# KiCad board OBC Development Board.kicad_pcb (continued)
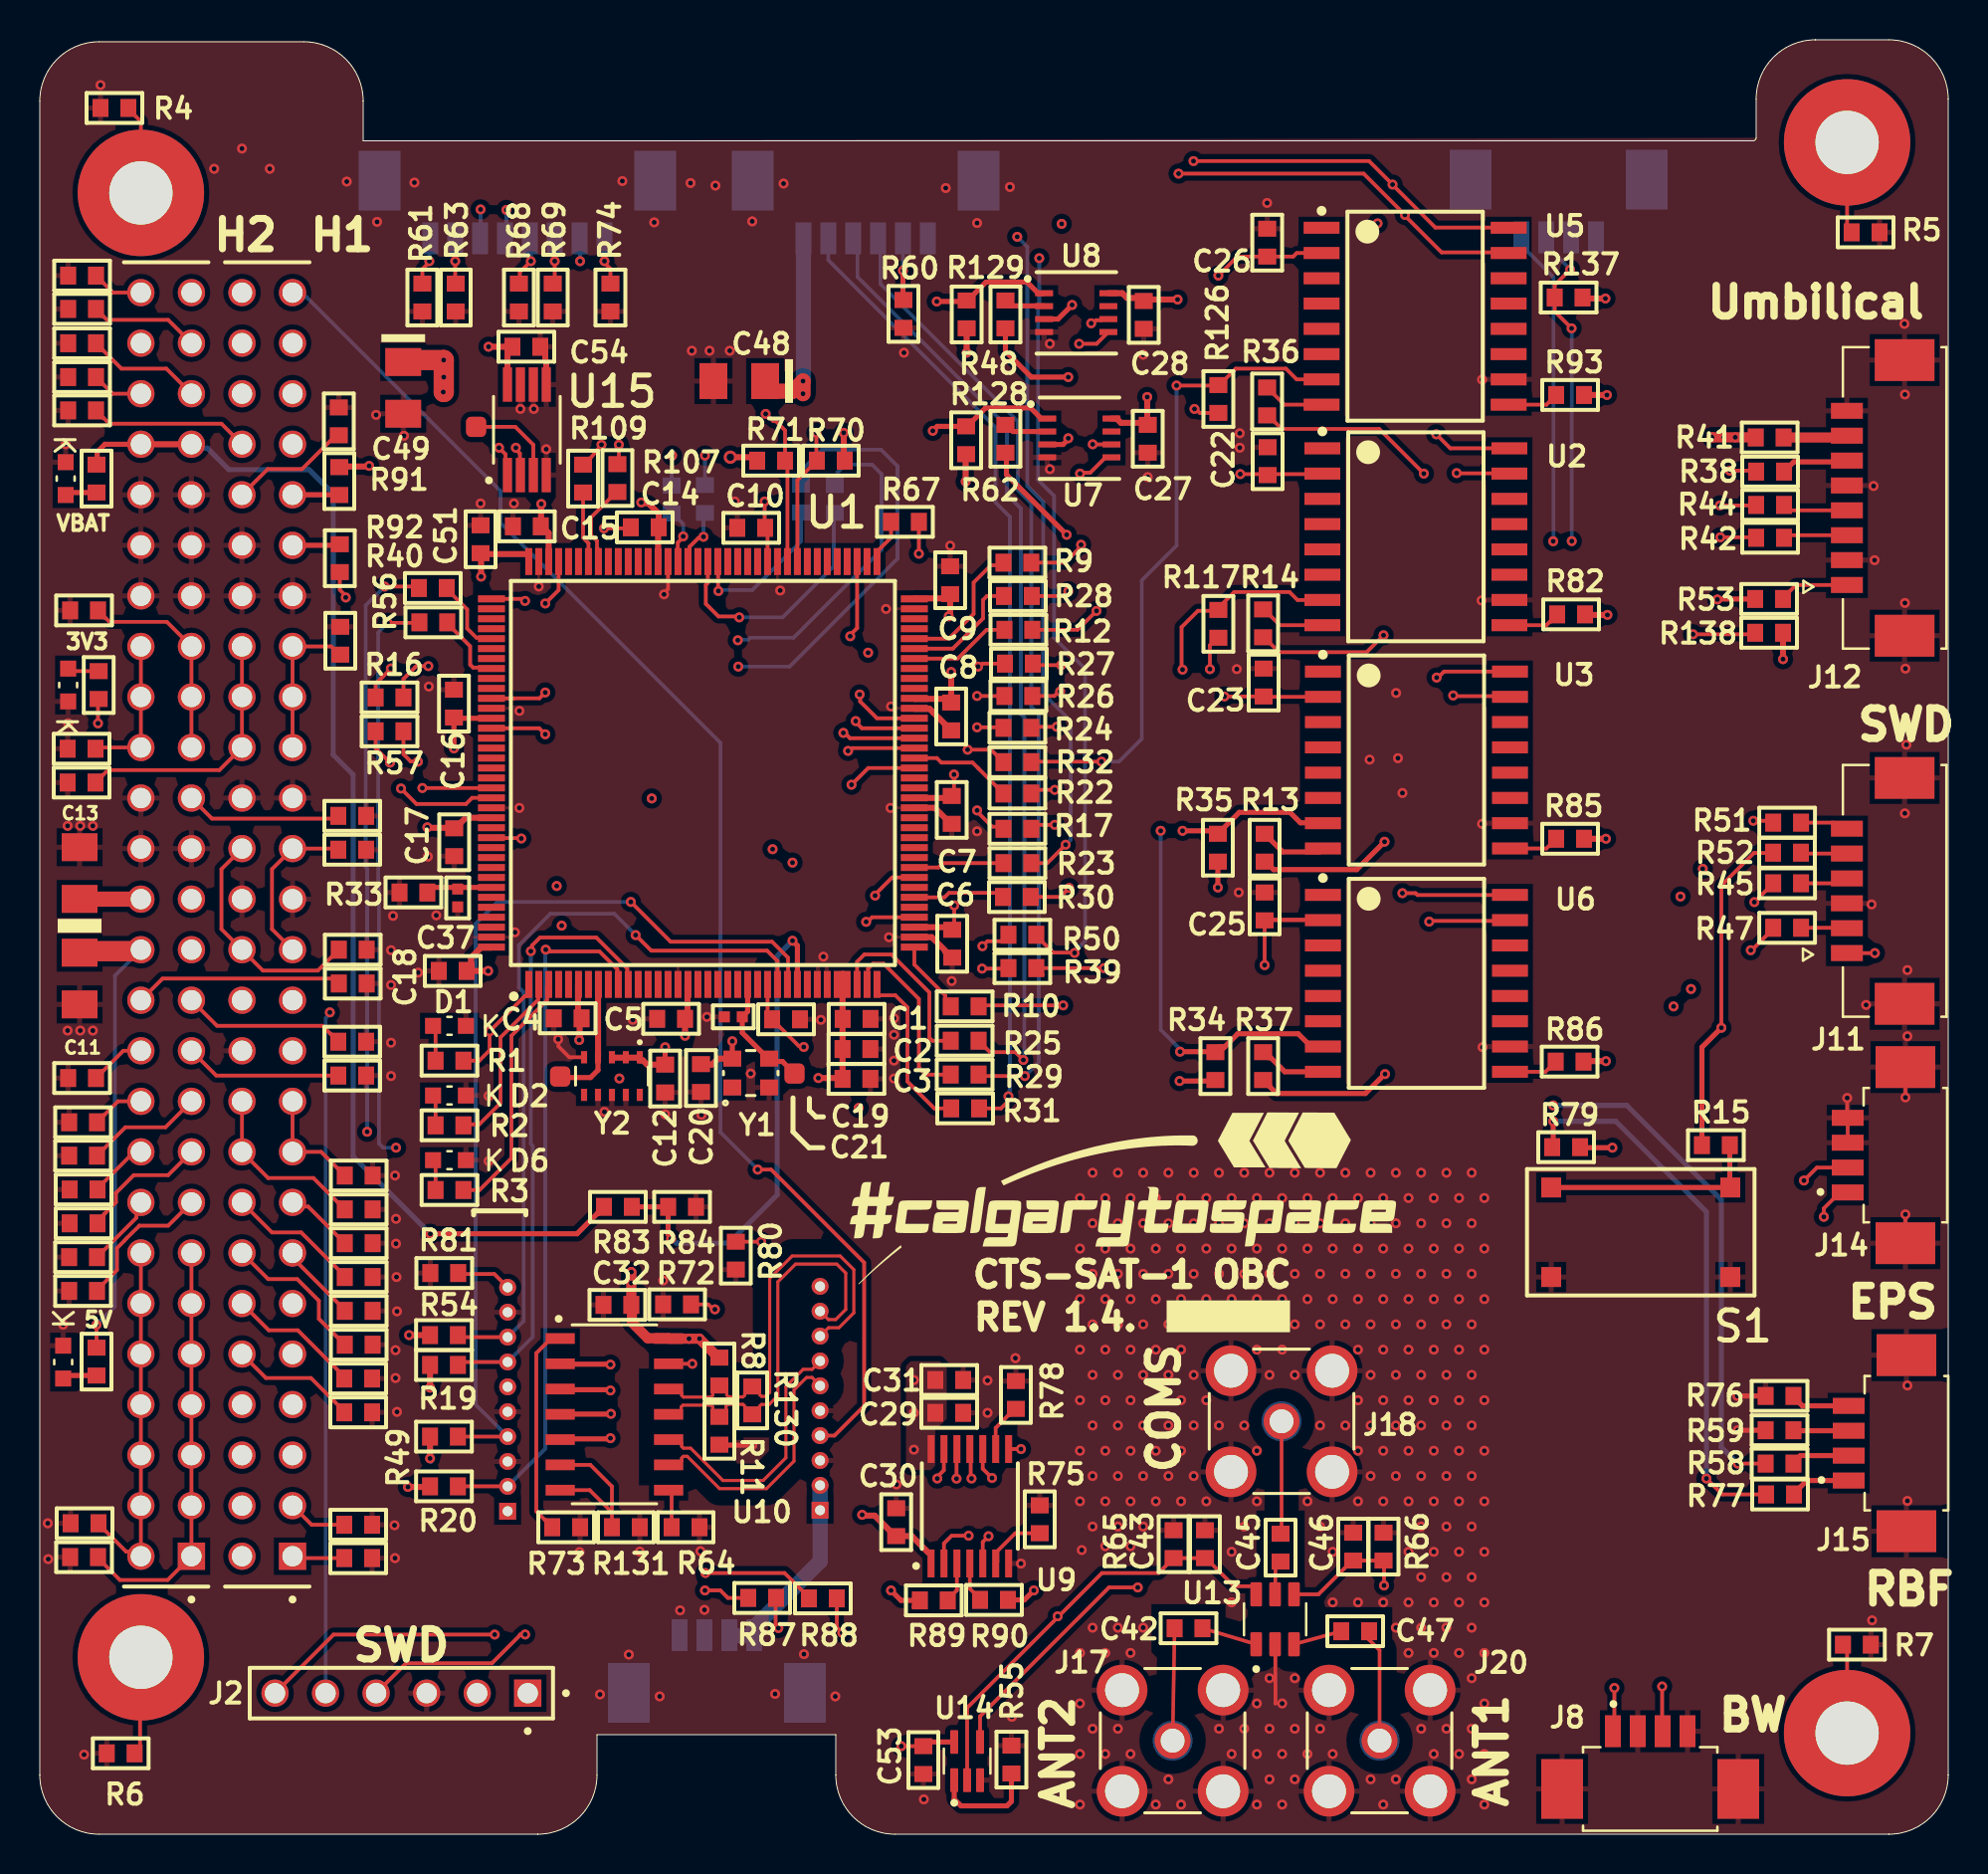
[diagram p0: board, top side]
## Nets
3V3: C1.2 C2.2 C3.2 C4.2 C5.2 C6.2 C7.2 C8.2 C9.2 C10.2 C12.2 C13.1 C14.2 C15.2 C16.2 C17.2 C18.2 C20.2 C22.1 C23.2 C25.2 C26.1 C27.1 C28.1 C30.1 C51.2 C53.2 C54.2 J2.01 J5.27 J5.28 J11.1 R19.1 R20.1 R34.1 R35.1 R38.2 R49.1 R54.1 R70.1 R71.1 R79.2 R82.1 R85.1 R86.1 R91.2 R92.1 R93.1 R117.1 R126.1 R128.1 R129.1 R134.2 R137.2 R138.1 U1.6 U1.17 U1.32 U1.33 U1.39 U1.52 U1.62 U1.72 U1.84 U1.95 U1.106 U1.108 U1.121 U1.131 U1.144 U2.2 U3.2 U5.2 U6.2 U7.3 U7.8 U8.3 U8.8 U9.1 U9.8 U14.5 U15.8 Y1.4 Y2.1 Y2.2 Y2.3
3V3_ANT_DEPLOY: C49.1 J6.50 J13.1 J13.6
3V3_CAM: C48.1 J6.48 J7.1
5V: C11.1 C29.1 C31.2 C32.1 J5.25 J5.26 R8.2 R41.2 R135.2 U9.14 U10.14
5V0_MPI: J6.51 J10.4
12V_MPI: J4.1 J4.2 J10.1 J10.2
GND: C1.1 C2.1 C3.1 C4.1 C5.1 C6.1 C7.1 C8.1 C9.1 C10.1 C11.2 C12.1 C13.2 C14.1 C15.1 C16.1 C17.1 C18.1 C19.1 C20.1 C21.2 C22.2 C23.1 C25.1 C26.2 C27.2 C28.2 C29.2 C30.2 C31.1 C32.2 C37.2 C43.2 C46.1 C48.2 C49.2 C51.1 C53.1 C54.1 D1.C D2.C D3.C D4.C D5.C D6.C J2.03 J3.S1 J3.S2 J4.3 J4.4 J4.S1 J4.S2 J5.29 J5.30 J5.32 J5.39 J5.40 J5.41 J5.42 J5.43 J5.44 J6.22 J6.24 J6.27 J6.28 J6.31 J6.32 J6.39 J6.40 J6.42 J7.6 J7.S1 J7.S2 J8.2 J8.4 J8.S1 J8.S2 J9.3 J9.4 J9.S1 J9.S2 J10.3 J10.5 J11.3 J11.S1 J11.S2 J12.2 J12.5 J12.8 J12.S1 J12.S2 J13.3 J13.5 J13.9 J14.3 J14.4 J14.S1 J14.S2 J15.S1 J15.S2 J17.0 J18.0 J20.0 R4.1 R5.1 R6.1 R7.1 R11.1 R33.1 R55.1 R59.1 R60.1 R61.1 R63.1 R64.1 R65.2 R66.1 R68.1 R69.1 R72.1 R73.1 R74.1 R75.1 R76.1 R78.1 R80.1 R81.1 R84.1 R94.2 R95.1 R96.1 R97.2 R98.2 R99.2 R100.1 R101.2 R102.1 R103.2 R104.1 R105.2 R106.1 R108.2 R110.1 R111.2 R112.1 R113.2 R114.1 R115.2 R116.1 R118.2 R119.1 R120.2 R121.1 R122.2 R123.1 R124.2 R125.2 R127.2 R131.1 R132.1 R133.2 R139.1 R140.1 R141.1 S1.3 S1.4 U1.16 U1.30 U1.31 U1.38 U1.51 U1.61 U1.71 U1.83 U1.94 U1.107 U1.120 U1.130 U1.143 U2.10 U3.10 U5.10 U6.10 U7.4 U8.4 U9.7 U13.2 U14.3 U15.4 U15.5 U15.6 U15.7 Y1.2 Y2.5 Y2.7 Y2.8 Y2.9
VBAT_MONITOR: R83.1 R84.2 U1.28
BOOM_CTRL_1: J8.1 R10.2
BOOM_CTRL_2: J8.3 R39.1
BOOT0: C37.1 R33.2 U1.138
CAM_EN: J7.2 R31.1
Debug_LED: R1.2 R58.1 U1.1
GPS_PPS: J3.7 R30.2
I2C1_SCL: J6.43 R91.1 U1.129
I2C1_SDA: J6.41 R92.2 U1.128
I2C2_SCL: J13.7 R19.2 U1.11
I2C2_SDA: J13.2 R20.2 U1.10
I2C3_SCL: J13.8 R54.2 U1.26
I2C3_SDA: J13.4 R49.2 U1.27
I2C4_SCL: R70.2 U1.81 U15.2
I2C4_SDA: R71.2 U1.82 U15.1
MISO_LPUART1_RX: R18.1 R42.1 R138.2
MISO_MPI_RX_N: J10.9 R11.2 R130.1 U10.11
MISO_MPI_RX_NEN: R46.2 R89.1
MISO_MPI_RX_P: J10.8 R8.1 R130.2 U10.12
MISO_UART4_RX: J7.4 R29.1
MISO_UART5_RX: J14.1 R56.2
MISO_USART1_RX: R87.1 R109.1
MISO_USART2_RX: J9.2 R57.2 R137.1
MISO_USART3_RX: J3.4 R23.2
MOSI_LPUART1_TX: R21.1 R44.1
MOSI_MPI_TX_EN: R43.2 R90.1
MOSI_MPI_TX_N: J10.7 U10.10
MOSI_MPI_TX_P: J10.6 U10.9
MOSI_UART4_TX: J7.3 R25.1
MOSI_UART5_TX: J14.2 R40.2
MOSI_USART1_TX: R88.2 R107.1
MOSI_USART2_TX: J9.1 R16.2
MOSI_USART3_TX: J3.3 R50.1
N_UHF_CTL: C46.2 R66.2 U13.4 U14.4
Net*1_1: *1.1 R4.2
Net*2_1: *2.1 R5.2
Net*3_1: *3.1 R6.2
Net*4_1: *4.1 R7.2
NetC21_1: C21.1 NOREF#2.3 U1.23 Y1.3
NetC42_1: C42.1 J17.1
NetC42_2: C42.2 U13.1
NetC45_1: C45.1 U13.5
NetC45_2: C45.2 J18.1
NetC47_1: C47.1 J20.1
NetC47_2: C47.2 U13.3
NetD1_A: D1.A R1.1
NetD2_A: D2.A R2.1
NetD3_A: D3.A R134.1
NetD4_A: D4.A R135.1
NetD5_A: D5.A R136.1
NetD6_A: D6.A R3.2
NetJ3_1: J3.1 R61.2
NetJ3_2: J3.2 R63.2
NetJ3_5: J3.5 R68.2
NetJ3_6: J3.6 R69.2
NetJ3_8: J3.8 R74.2
NetJ5_1: J5.1 J5.3 J5.5 J5.7 J5.9 J5.11 J5.13 R132.2
NetJ5_2: J5.2 J5.4 J5.6 J5.8 J5.10 J5.12 J5.14 R133.1
NetJ5_15: J5.15 R121.2
NetJ5_16: J5.16 R122.1
NetJ5_17: J5.17 R116.2
NetJ5_18: J5.18 R118.1
NetJ5_19: J5.19 R114.2
NetJ5_20: J5.20 R115.1
NetJ5_21: J5.21 R110.2
NetJ5_22: J5.22 R111.1
NetJ5_23: J5.23 R106.2
NetJ5_24: J5.24 R108.1
NetJ5_31: J5.31 R139.2
NetJ5_33: J5.33 J5.35 J5.37 R102.2
NetJ5_34: J5.34 J5.36 J5.38 R103.1
NetJ5_47: J5.47 R96.2
NetJ5_48: J5.48 R97.1
NetJ5_49: J5.49 R95.2
NetJ5_52: J5.52 R94.1
NetJ6_1: J6.1 R140.2
NetJ6_3: J6.3 R141.2
NetJ6_10: J6.10 R127.1
NetJ6_12: J6.12 R125.1
NetJ6_13: J6.13 R123.2
NetJ6_14: J6.14 R124.1
NetJ6_15: J6.15 R119.2
NetJ6_16: J6.16 R120.1
NetJ6_17: J6.17 J6.19 R112.2
NetJ6_18: J6.18 J6.20 R113.1
NetJ6_25: J6.25 J6.29 R104.2
NetJ6_26: J6.26 J6.30 R105.1
NetJ6_33: J6.33 J6.35 J6.37 R100.2
NetJ6_34: J6.34 J6.36 J6.38 R101.1
NetJ6_44: J6.44 R99.1
NetJ6_46: J6.46 R98.1
NetJ7_5: J7.5 R60.2
NetJ10_10: J10.10 R80.2
NetJ11_2: J11.2 R47.2
NetJ11_4: J11.4 R45.2
NetJ11_5: J11.5 R52.2
NetJ11_6: J11.6 R51.2
NetJ12_1: J12.1 R53.2
NetJ12_3: J12.3 R42.2
NetJ12_4: J12.4 R44.2
NetJ12_6: J12.6 R38.1
NetJ12_7: J12.7 R41.1
NetJ13_10: J13.10 R81.2
NetJ15_1: J15.1 R77.2
NetJ15_2: J15.2 R58.2
NetJ15_3: J15.3 R59.2
NetJ15_4: J15.4 R76.2
NetR2_2: R2.2 U1.2
NetR3_1: R3.1 U1.3
NetR9_2: R9.2 U1.68
NetR10_1: R10.1 U1.37
NetR12_2: R12.2 U1.66
NetR13_2: R13.2 U3.8
NetR14_2: R14.2 U2.8
NetR15_1: R15.1 S1.1 S1.2
NetR16_1: R16.1 U1.119
NetR17_1: R17.1 U1.55
NetR18_2: R18.2 U1.93
NetR21_2: R21.2 U1.92
NetR22_1: R22.1 U1.56
NetR23_1: R23.1 U1.45
NetR24_1: R24.1 U1.58
NetR25_2: R25.2 U1.34
NetR26_1: R26.1 U1.59
NetR27_1: R27.1 U1.60
NetR28_1: R28.1 U1.67
NetR29_2: R29.2 U1.35
NetR30_1: R30.1 U1.42
NetR31_2: R31.2 U1.36
NetR32_1: R32.1 U1.57
NetR36_2: R36.2 U5.8
NetR37_2: R37.2 U6.8
NetR39_2: R39.2 U1.40
NetR40_1: R40.1 U1.113
NetR43_1: R43.1 U1.90
NetR46_1: R46.1 U1.89
NetR48_2: R48.2 U8.2
NetR50_2: R50.2 U1.44
NetR55_2: R55.2 U14.1
NetR56_1: R56.1 U1.116
NetR57_1: R57.1 U1.122
NetR62_2: R62.2 U7.2
NetR64_2: R64.2 U10.8
NetR67_2: R67.2 U1.73
NetR72_2: R72.2 U10.13
NetR73_2: R73.2 U10.1
NetR75_2: R75.2 U9.6
NetR78_2: R78.2 U9.9
NetR82_2: R82.2 U2.9
NetR85_2: R85.2 U3.9
NetR86_2: R86.2 U6.9
NetR87_2: R87.2 U9.2
NetR88_1: R88.1 U9.5
NetR89_2: R89.2 U9.3
NetR90_2: R90.2 U9.4
NetR93_2: R93.2 U5.9
NetR107_2: R107.2 U1.101
NetR109_2: R109.2 U1.102
NetR131_2: R131.2 U10.6 U10.7
NetU1_8: NOREF#3.3 U1.8 Y2.4
NetU9_10: U9.10 U10.5
NetU9_11: U9.11 U10.4
NetU9_12: U9.12 U10.3
NetU9_13: U9.13 U10.2
NRST: C19.2 J2.05 R15.2 R52.1 U1.25
OS/INT: NOREF.3 U15.3
RBF_1: R77.1 R79.1 U1.75
SPI1_MISO: R13.1 R14.1 R28.2 R36.1 R37.1 R48.1 R62.1
SPI1_MOSI: R9.1 U2.15 U3.15 U5.15 U6.15 U7.5 U8.5
SPI1_SCLK: R12.1 U2.16 U3.16 U5.16 U6.16 U7.6 U8.6
SPI_NCS_FLASH_0: R24.2 R117.2 U2.7
SPI_NCS_FLASH_1: R32.2 R126.2 U5.7
SPI_NCS_FLASH_2: R22.2 R35.2 U3.7
SPI_NCS_FLASH_3: R17.2 R34.2 U6.7
SPI_NCS_FRAM_0: R27.2 R129.2 U8.1
SPI_NCS_FRAM_1: R26.2 R128.2 U7.1
SWCLK: J2.02 R47.1 U1.109
SWDIO: J2.04 R45.1 U1.105
SWO: J2.06 R51.1 U1.133
UHF_CTL: C43.1 R65.1 R67.1 U13.6 U14.2
V_BAT: J5.45 J5.46 R53.1 R83.2 R136.2

Pads without a net: J5 50 51; J6 2 4 5 6 7 8 9 11 21 23 45 47 49 52; U1 4 5 7 9 12 13 14 15 18 19 20 21 22 24 29 41 43 46 47 48 49 50 53 54 63 64 65 69 70 74 76 77 78 79 80 85 86 87 88 91 96 97 98 99 100 103 104 110 111 112 114 115 117 118 123 124 125 126 127 132 134 135 136 137 139 140 141 142; U2 1 3 4 5 6 11 12 13 14; U3 1 3 4 5 6 11 12 13 14; U5 1 3 4 5 6 11 12 13 14; U6 1 3 4 5 6 11 12 13 14; U7 7; U8 7; Y1 1; Y2 6 10

## Via types
v1: diameter 0.5, hole 0.25, L1 Top Layer to L6 Bottom Layer, 666 vias
v2: diameter 0.66, hole 0.381, L1 Top Layer to L6 Bottom Layer, 1 via

## Routing (per net, layer and track width the routed paths; a pad name or vN(x,y) marks a point on that pad's centre or on a via; arc(x,y) is an arc through that point)
3V3: length 133.7
  L1 Top Layer w0.186: v1(60.32,68.35) 61.65,68.35 C22.1 61.75,68.35 64.6,68.35 ; v1(45.94,53.25) 45.94,52.14 45.87,52.07 ; R91.2 15.1,68.7 ; 61.7,57.15 61.71,57.16 64.68,57.16 ; v1(36.42,66.98) 36.42,65.68 36.57,65.53 U1.84 ; R38.2 86.2,68.53 v1(84.92,68.53) ; v1(58.03,71.63) 58.09,71.63 58.29,71.43 R126.1 ; v1(58.8,58.55) 58.8,59.75 59.17,60.13 R117.1 ; v1(43.29,4.43) C53.2 ; v1(59.53,57.18) 61.45,57.18 ; v1(61.55,43.68) 61.55,46 ; 45.47,45.58 45.65,45.4 ; 61.28,46.03 61.25,46 61.25,45.96 ; 24,74.75 24.04,74.71 ; 62.03,45.93 U6.2 ; 64.61,79.46 63.16,79.46 62.98,79.28 60.18,79.28 v1(59.22,78.33) ; v1(15.38,62.15) 15.38,62.23 15.08,62.53 15.08,63.4 ; v1(2.92,55.83) 2.92,57.02 R134.2 ; U9.8 v1(49.31,19.36) ; J11.1 v1(92.21,44.28) ; 61.34,45.96 64,45.96 ; C6.2 45.95,45.55 v1(45.95,46.68)
  L1 Top Layer w0.254: 20.72,56.25 20.9,56.08 U1.121 ; R34.1 59.03,37.85 v1(57.28,37.85) ; C14.2 31.11,65.68 ; U8.3 51.16,76.14 v1(51.88,76.85) ; 33.32,38.8 C20.2 33.25,38.68 ; v1(59.2,47.58) R35.1 ; C28.1 55.55,77.13 ; v1(51.68,70.15) 51.68,70.1 51.42,69.84 U7.3 ; 20.79,56.11 20.81,56.09 v1(20.81,54.56) ; Y1.4 v1(34.8,39.85) ; 46.6,69.35 R128.1 46.53,69.33 ; v1(30.22,66.93) 30.26,66.89 ; 40.4,69.08 R70.1 ; C53.2 44.61,4.64 U14.5 ; R79.2 77.42,34.5 v1(79.03,34.5) ; 31.42,39.03 v1(31.42,39.55) ; 55.65,70.85 C27.1
  L1 Top Layer w0.3: v1(19.47,50.6) 19.5,50.58 20.85,50.58 20.88,50.55 21.4,51.08 U1.131 ; U8.8 54.4,77.44 54.64,77.2 55.47,77.2 ; U1.95 31.07,65.65 C14.2 ; R20.1 19.58,17.45 v1(18.5,17.45) ; v1(78.7,38.85) 77.6,38.85 R86.1 ; 23.82,74.63 23.68,74.63 23.5,74.45 U15.8 ; 40.34,43.25 C2.2 C3.2 40.29,38 v1(39.12,38) ; U1.108 24.57,64.31 24.55,64.33 22.2,64.33 ; 35.97,69.14 35.91,69.2 v2(34.7,69.2) ; v1(19.61,18.89) R49.1 ; v1(87.6,59.05) R138.1 ; 23.43,74.72 23.63,74.92 ; 15.1,68.7 15.13,68.73 ; 30.15,39.03 28.76,39.03 28.75,39.03 28.75,39.07 ; v1(45.8,58.41) 45.8,56.87 C8.2 45.61,57.05 43.97,57.05 U1.62 ; U1.72 43.97,62.1 45.53,62.1 C9.2 45.75,61.32 45.67,61.25 v1(45.67,61.2) ; v1(78.67,77.18) 77.57,77.18 R137.2 ; 30.26,66.89 30.57,66.89 31.11,66.36 31.11,65.68 ; Y1.4 34.07,38.98 33.78,38.68 33.25,38.68 ; 45.87,52.07 45.87,52.07 43.95,52.07 U1.52 ; 15.05,68.73 16.52,68.73 v1(16.55,68.76) ; C51.2 22.17,64.35 v1(22.17,63.2) ; Y2.1 30.15,38.89 30.15,38.89 30.3,38.89 30.52,38.68 C12.2 ; 27.15,40.8 27.12,40.77 27.13,40.76 27.13,39.93 v1(27.11,39.91) ; v1(78.78,61.28) 77.67,61.28 R82.1 ; 45.47,45.58 U1.39 43.95,45.57 ; U9.1 44.79,14.13 44.76,14.16 44.64,14.16 43.82,14.98 42.99,14.98 41.95,16.01 41.36,16.01 v1(41.32,16.05) ; 27.05,40.82 27.05,42.68 U1.6 ; v1(32.42,40.13) C5.2 32.42,41 32.55,41.12 32.55,42.68 U1.17 ; v1(19.61,22.44) R19.1 ; U7.8 54.15,71.14 54.15,71.1 54.33,70.93 55.58,70.93 55.65,70.85 v1(55.65,72.23) ; v1(18.56,25.08) R54.1 ; 55.55,77.13 v1(57.17,77.13) ; U1.144 22.67,44.55 22.17,44.55 21.67,44.05 21.67,43.6 C18.2 v1(22.53,43.38) ; R93.1 v1(78.75,72.33) ; v1(46.53,67.98) 46.53,69.33 ; v1(46.57,74.45) R129.1 ; U1.106 25.57,65.39 25.42,65.53 C15.2 25.19,65.74 25.19,66.84 v1(25.2,66.85) ; R85.1 v1(78.7,50.03) ; v1(22.55,74.75) C54.2
  L1 Top Layer w0.302: 40.4,69.08 v1(40.4,70.43)
  L1 Top Layer w0.762: J5.28 2.01,46.99 C13.1
  L6 Bottom Layer w0.186: 19.66,18.69 19.66,18.84 v1(19.61,18.89)
3V3_ANT_DEPLOY: length 62.7
  L1 Top Layer w1.016: C49.1 18.36,74.08 v1(20.3,74.08) 20.3,74.08 20.3,72.48
  L4 Signal w1.016: 23.02,22.54 21.52,24.04 21.52,43.8 21.82,44.11 21.82,58.19 20.32,59.69 20.32,72.48 ; J13.1 23.08,16.23 22.32,16.99 22.32,21.72 23.08,22.48 J13.6
  vias: v1(20.27,72.48) v1(20.3,73.23)
3V3_CAM: length 10.2
  L1 Top Layer w0.762: v1(38.35,72.39) v1(38.35,73.03) 37.85,72.52 36.77,72.52 36.45,72.84 C48.1
  L6 Bottom Layer w0.762: 38.38,73.03 J7.1
5V: length 34.6
  L1 Top Layer w0.186: R135.2 v1(2.85,25.6)
  L1 Top Layer w0.254: 34.1,23.95 R8.2 ; U10.14 31.14,24.91 31,25.05
  L1 Top Layer w0.381: 86.22,70.2 R41.2
  L1 Top Layer w0.508: 31.6,24.91 31.62,24.9 v1(32.62,24.9) v1(33.15,24.9) 34.1,23.95 ; U10.14 31.59,24.92 30.55,24.92 29.76,25.72 29.76,26.57 C32.1 v1(29.72,28.25) ; v1(84.03,70.2) 84.03,70.2 86.22,70.2
  L1 Top Layer w1.016: C11.1 2.08,44.38 5,44.38 J5.26
  L6 Bottom Layer w0.186: J5.26 3.77,43.15 3.77,26.53 v1(2.85,25.6)
  vias: v1(29.72,27.7) v1(43.92,22.83) v1(43.92,21.18) v1(43.92,19.33) v1(84.63,70.2) v1(85.2,70.2)
5V0_MPI: length 71.4
  L1 Top Layer w0.186: v1(36.07,33.4) 36.75,33.4 41.42,28.73 41.42,21.53 39.93,20.03 J10.4
  L6 Bottom Layer w0.186: J6.51 12.93,77.24 13.41,77.24 23.15,67.5 23.15,65.9 34.2,54.85 34.2,40.1 34.2,35.27 v1(36.07,33.4)
12V_MPI: length 10.2
  L6 Bottom Layer w0.762: J4.2 34.67,9.98 35.88,9.98 35.9,9.99 J4.1 35.9,10.4 39.21,13.71 J10.1 J10.2
GND: length 26.4
  L1 Top Layer w0.186: J14.3 J14.4 90.82,36.03 v1(90.82,37) ; v1(26.05,39.95) 26.06,39.94 26.06,39.59 26.6,39.05 Y2.5 ; 45.49,44.36 45.49,44.41 ; 62.09,6.58 62.09,6.57 62.09,9.54 U13.2 ; J14.S1 v1(93.75,31.15) ; v1(93.75,37.03) J14.S2 ; v1(28.35,65.63) 29.47,65.63 ; 45.78,50.78 C7.1 ; 45.8,44.05 C6.1 ; v1(31.37,62.31) 31.37,62.37 31.57,62.57 U1.94
  L1 Top Layer w0.254: v1(35.8,19.55) 34.17,19.55 R11.1 ; v1(85.3,22.03) R76.1 ; v1(85.32,20.3) R59.1
  L1 Top Layer w0.3: 45.78,50.78 44.97,51.58 U1.51 ; U15.5 25.45,74 25.4,74.05 25.4,74.5 C54.1 ; U1.61 43.97,56.55 44.71,56.55 44.9,56.37 45.5,55.77 45.5,55.72 45.75,55.47 C8.1 ; 45.49,44.36 45.8,44.05 ; U1.38 44.82,45.08 45.49,44.41
  vias: v1(0.4,15.63) v1(0.42,13.83) v1(1.17,25.6) v1(1.3,69.85) v1(1.4,50.67) v1(1.4,40.39) v1(1.42,55.83) v1(2.03,50.67) v1(2.03,40.39) v1(2.22,4) v1(2.67,50.67) v1(2.67,40.39) v1(3.05,87.9) v1(8.76,83.69) v1(10.16,84.71) v1(11.56,83.69) v1(15.42,83.05) v1(16.95,81.03) v1(16.9,71.33) v1(17.65,44.43) v1(17.65,42.68) v1(17.65,39.78) v1(17.65,38.1) v1(17.75,46.15) v1(17.85,33.1) v1(17.88,24.33) v1(17.88,22.93) v1(17.83,15.53) v1(17.85,13.88) v1(17.9,30.93) v1(17.9,29.68) v1(17.92,28) v1(17.95,26.28) v1(17.95,21.23) v1(18.3,70.28) v1(18.83,83) v1(19.01,43.3) v1(19.55,57.68) v1(19.5,49.13) v1(19.92,46.18) v1(22.15,66.88) v1(22.55,37.1) v1(22.55,33.83) v1(23.83,66.88) v1(23.88,45.33) v1(24.15,71.63) v1(24.1,56.45) v1(24.1,51.58) v1(24.83,71.63) v1(25.08,62.7) v1(25.45,69.6) v1(27.12,14.18) v1(28.15,7.03) v1(28.38,36.3) v1(29.12,37.98) v1(29.28,83.08) v1(29.6,9.03) v1(29.8,40.93) v1(30.15,14.2) v1(30.88,81) v1(31.15,6.93) v1(31.32,27.83) v1(31.42,36.18) v1(32.17,11.25) v1(32.7,82.98) v1(32.77,74.55) v1(33.25,36.15) v1(33.2,14.23) v1(33.4,11.28) v1(33.53,41.08) v1(33.66,74.55) v1(33.95,82.85) v1(34.67,74.55) v1(34.92,66.98) v1(35.72,38.23) v1(35.8,81.05) v1(36.95,7.05) v1(37.21,62.5) v1(37.38,82.95) v1(38.4,9.05) v1(39.25,40.93) v1(39.38,44.1) v1(39.97,6.93) v1(42.53,61.58) v1(42.67,45.08) v1(42.78,56.68) v1(42.75,51.58) v1(42.92,41) v1(42.92,40.18) v1(42.92,38.88) v1(42.92,37.98) v1(43.05,17.58) v1(43.42,74.45) v1(44.42,1.75) v1(45.53,82.73) v1(45.75,64.75) v1(45.82,42.88) v1(47.1,80.97) v1(47.1,50.4) v1(47.62,22.8) v1(47.62,21.18) v1(48.75,82.78) v1(48.85,5.9) v1(49.03,23.93) v1(49.31,13.6) v1(50.76,74.9) v1(50.76,68.6) v1(52.27,31.97) v1(52.27,29.43) v1(52.27,26.89) v1(52.27,24.35) v1(52.27,21.81) v1(52.27,19.27) v1(52.27,16.73) v1(52.27,9.11) v1(52.27,6.57) v1(52.27,4.03) v1(52.27,1.49) v1(52.36,14.28) v1(52.91,33.24) v1(52.91,30.7) v1(52.91,28.16) v1(52.91,25.62) v1(52.91,23.08) v1(52.91,20.54) v1(52.91,18) v1(52.91,15.46) v1(52.91,10.38) v1(52.91,5.3) v1(53.54,31.97) v1(53.54,29.43) v1(53.54,26.89) v1(53.54,24.35) v1(53.54,21.81) v1(53.54,19.27) v1(53.54,16.73) v1(53.54,14.47) v1(53.54,9.11) v1(53.54,4.03) v1(54.17,33.24) v1(54.17,30.7) v1(54.17,28.16) v1(54.17,25.62) v1(54.17,23.08) v1(54.17,20.54) v1(54.17,18) v1(54.17,15.46) v1(54.17,10.38) v1(54.17,5.3) v1(54.81,31.97) v1(54.81,29.43) v1(54.81,26.89) v1(54.81,24.35) v1(54.81,21.81) v1(54.81,19.27) v1(54.81,16.73) v1(54.81,14.47) v1(54.81,9.11) v1(54.81,4.03) v1(55.45,74.35) v1(55.44,33.24) v1(55.44,30.7) v1(55.44,28.16) v1(55.44,25.62) v1(55.44,23.08) v1(55.44,20.54) v1(55.44,18) v1(55.44,15.46) v1(55.44,10.38) v1(55.67,68.2) v1(56.08,31.97) v1(56.08,29.43) v1(56.08,26.89) v1(56.08,24.35) v1(56.08,21.81) v1(56.08,19.27) v1(56.08,16.73) v1(56.08,1.49) v1(56.72,33.24) v1(56.72,30.7) v1(56.72,28.16) v1(56.72,25.62) v1(56.72,23.08) v1(56.72,20.54) v1(56.72,18) v1(56.72,2.76) v1(57.35,31.97) v1(57.35,29.43) v1(57.35,26.89) v1(57.35,24.35) v1(57.35,21.81) v1(57.35,19.27) v1(57.35,16.73) v1(57.35,1.49) v1(57.98,33.24) v1(57.98,30.7) v1(57.98,28.16) v1(57.98,25.62) v1(57.98,23.08) v1(57.98,20.54) v1(57.98,18) v1(58.62,31.97) v1(58.62,29.43) v1(58.62,26.89) v1(58.62,21.81) v1(58.62,16.73) v1(59.25,33.24) v1(59.25,30.7) v1(59.25,28.16) v1(59.25,25.62) v1(59.25,20.54) v1(59.25,5.3) v1(59.89,31.97) v1(59.89,29.43) v1(59.89,26.89) v1(59.89,14.19) v1(59.89,11.65) v1(59.89,4.03) v1(60.15,58.55) v1(60.25,47.33) v1(60.3,70.4) v1(60.3,69.68) v1(60.53,33.24) v1(60.53,30.7) v1(60.53,28.16) v1(60.53,25.62) v1(60.53,20.54) v1(60.53,15.46) v1(60.53,5.3) v1(61.16,31.97) v1(61.16,29.43) v1(61.16,26.89) v1(61.16,24.35) v1(61.16,19.27) v1(61.16,16.73) v1(61.16,6.57) v1(61.16,4.03) v1(61.16,1.49) v1(61.67,81.98) v1(61.79,33.24) v1(61.79,30.7) v1(61.79,28.16) v1(61.79,25.62) v1(61.79,23.08) v1(61.79,7.84) v1(61.79,5.3) v1(61.79,2.76) v1(62.43,31.97) v1(62.43,29.43) v1(62.43,26.89) v1(62.43,24.35) v1(62.43,6.57) v1(62.43,4.03) v1(62.43,1.49) v1(63.06,33.24) v1(63.06,30.7) v1(63.06,28.16) v1(63.06,25.62) v1(63.06,23.08) v1(63.06,7.84) v1(63.06,5.3) v1(63.06,2.76) v1(63.7,31.97) v1(63.7,29.43) v1(63.7,26.89) v1(63.7,16.73) v1(63.7,4.03) v1(64.34,33.24) v1(64.34,30.7) v1(64.34,28.16) v1(64.34,25.62) v1(64.34,20.54) v1(64.34,15.46) v1(64.34,5.3) v1(64.97,31.97) v1(64.97,29.43) v1(64.97,26.89) v1(64.97,14.19) v1(64.97,11.65) v1(64.97,4.03) v1(65.6,33.24) v1(65.6,30.7) v1(65.6,28.16) v1(65.6,25.62) v1(65.6,20.54) v1(66.24,31.97) v1(66.24,29.43) v1(66.24,26.89) v1(66.24,24.35) v1(66.24,21.81) v1(66.24,19.27) v1(66.24,16.73) v1(66.24,11.65) v1(66.82,54) v1(66.88,33.24) v1(66.88,30.7) v1(66.88,28.16) v1(66.88,25.62) v1(66.88,23.08) v1(66.88,20.54) v1(66.88,18) v1(66.88,2.76) v1(67.51,31.97) v1(67.51,29.43) v1(67.51,26.89) v1(67.51,24.35) v1(67.51,21.81) v1(67.51,19.27) v1(67.51,16.73) v1(67.51,11.65) v1(67.51,1.49) v1(68.16,57.35) v1(68.15,33.24) v1(68.15,30.7) v1(68.15,28.16) v1(68.15,25.62) v1(68.15,23.08) v1(68.15,20.54) v1(68.15,18) v1(68.15,10.38) v1(68.15,2.76) v1(68.25,54.08) v1(68.47,52.33) v1(68.78,31.97) v1(68.78,29.43) v1(68.78,26.89) v1(68.78,24.35) v1(68.78,21.81) v1(68.78,19.27) v1(68.78,16.73) v1(68.78,14.19) v1(68.78,11.65) v1(68.78,9.11) v1(69.41,33.24) v1(69.41,30.7) v1(69.41,28.16) v1(69.41,25.62) v1(69.41,23.08) v1(69.41,20.54) v1(69.41,18) v1(69.41,15.46) v1(69.41,12.92) v1(69.41,10.38) v1(69.41,5.3) v1(70.05,31.97) v1(70.05,29.43) v1(70.05,26.89) v1(70.05,24.35) v1(70.05,21.81) v1(70.05,19.27) v1(70.05,16.73) v1(70.05,14.19) v1(70.05,11.65) v1(70.05,9.11) v1(70.05,4.03) v1(70.69,33.24) v1(70.69,30.7) v1(70.69,28.16) v1(70.69,25.62) v1(70.69,23.08) v1(70.69,20.54) v1(70.69,18) v1(70.69,15.46) v1(70.69,12.92) v1(70.69,10.38) v1(70.69,5.3) v1(71.32,31.97) v1(71.32,29.43) v1(71.32,26.89) v1(71.32,24.35) v1(71.32,21.81) v1(71.32,19.27) v1(71.32,16.73) v1(71.32,14.19) v1(71.32,11.65) v1(71.32,9.11) v1(71.32,4.03) v1(71.95,33.24) v1(71.95,30.7) v1(71.95,28.16) v1(71.95,25.62) v1(71.95,23.08) v1(71.95,20.54) v1(71.95,18) v1(71.95,15.46) v1(71.95,12.92) v1(71.95,10.38) v1(71.95,7.84) v1(71.95,5.3) v1(71.95,2.76) v1(72.47,73.1) v1(72.45,62) v1(72.47,50.78) v1(72.5,39.55) v1(72.59,31.97) v1(72.59,29.43) v1(72.59,26.89) v1(72.59,24.35) v1(72.59,21.81) v1(72.59,19.27) v1(72.59,16.73) v1(72.59,14.19) v1(72.59,11.65) v1(72.59,9.11) v1(72.59,6.57) v1(72.59,4.03) v1(72.59,1.49) v1(91.78,41.68) v1(92.05,46.73) v1(92.07,10.75) v1(92.15,67.75) v1(92.2,64.03) v1(93.7,75.9) v1(93.72,72.35) v1(93.72,61.88) v1(93.75,58.58) v1(93.72,51.3) v1(93.8,54.75) v1(93.85,43.43) v1(93.85,40.1) v1(93.85,22.55) v1(93.85,16.75)
VBAT_MONITOR: length 25.3
  L1 Top Layer w0.254: R83.1 R84.2 31.57,30.14 31.72,29.99 v1(31.72,29.93) ; v1(37.82,44.9) 38.07,44.65 U1.28
  L6 Bottom Layer w0.254: v1(31.72,29.93) 31.77,29.93 32,29.7 34.62,29.7 37.06,32.13 37.06,44.13 v1(37.82,44.9)
BOOM_CTRL_1: length 74.8
  L1 Top Layer w0.186: 79.12,5.25 v1(79.12,7.35) ; 47.22,41.65 v1(51.42,41.65)
  L1 Top Layer w0.254: R10.2 47.22,41.65 ; J8.1 79.12,5.25
  L3 Signal w0.186: v1(51.42,41.65) 81.98,41.65
  L3 Signal w0.254: v1(82.1,41.6) 82.03,41.6 81.98,41.65
  L4 Signal w0.186: v1(79.12,7.35) 82.12,10.34 82.12,24.67 84.65,27.2 84.65,39.05 v1(82.1,41.6)
BOOM_CTRL_2: length 74.7
  L1 Top Layer w0.186: 81.53,4.81 v1(81.53,7.43) ; v1(53.47,43.53) R39.1 50.07,43.48 50.35,43.2 50.4,43.2
  L3 Signal w0.186: 82.75,42.43 54.57,42.43 v1(53.47,43.53)
  L3 Signal w0.254: 82.75,42.43 82.75,42.43 82.93,42.43 v1(82.97,42.48)
  L4 Signal w0.186: v1(81.53,7.43) 82.92,8.83 82.92,24.1 85.45,26.63 85.45,40.9 83.88,42.48 v1(82.97,42.48)
BOOT0: length 3.3
  L1 Top Layer w0.254: U1.138 19.73,47.58 R33.2
CAM_EN: length 48.8
  L1 Top Layer w0.186: v1(48.67,37.08) 48.63,37.03 48.63,36.8 48.3,36.48 R31.1
  L6 Bottom Layer w0.186: v1(48.67,37.08) 48.72,37.13 48.72,37.36 48.75,37.38 48.75,66.2 48.03,66.93 48.03,70.7 39.62,79.1 J7.2
Debug_LED: length 86.2
  L1 Top Layer w0.186: 24.57,42.32 24.57,42.2 24.49,42.12 24.38,42.12 v1(22.6,40.35) 22.6,39.39 22.08,38.87 R1.2 ; v1(85.32,18.63) R58.1
  L1 Top Layer w0.3: U1.1 24.57,42.45 24.55,42.43
  L3 Signal w0.179: 75.98,36.63 75.81,36.45 44.11,36.45 43.21,37.34 25.6,37.34 v1(22.6,40.35)
  L3 Signal w0.254: 75.98,36.63 v1(76.05,36.63)
  L6 Bottom Layer w0.254: v1(85.32,18.63) 84.5,19.45 84.5,31.88 79.75,36.63 v1(76.05,36.63)
GPS_PPS: length 54.8
  L1 Top Layer w0.186: v1(51.72,47.55) 51.28,47.1 R30.2
  L3 Signal w0.179: v1(30.75,52.05) 32,50.8 39.05,50.8 40.25,49.6 49.67,49.6 v1(51.72,47.55)
  L4 Signal w0.179: v1(30.75,52.05) 30.74,52.06 30.74,66.55 30.97,66.78 30.97,75.23 v1(27.15,79.05)
  L6 Bottom Layer w0.186: 27.1,80.18 27.15,80.12 v1(27.15,79.05)
  L6 Bottom Layer w0.25: 27.1,80.18 J3.7
I2C1_SCL: length 25.5
  L1 Top Layer w0.186: v1(18.15,52.55) 18.93,51.77 21.41,51.77 21.72,52.08 U1.129
  L1 Top Layer w0.254: 15.04,67.31 15.27,67.31 ; J6.43 15.03,67.31 15.04,67.3 15.27,67.3
  L4 Signal w0.179: J6.43 16.25,63.76 16.25,53.21 16.9,52.55 v1(18.15,52.55)
I2C1_SDA: length 23.3
  L1 Top Layer w0.186: v1(19.22,52.58) 22.69,52.58
  L1 Top Layer w0.254: 15.02,64.77 R92.2 ; J6.41 15.08,64.77
  L4 Signal w0.179: J6.41 12.73,64.74 12.73,63.7 15.6,60.84 15.6,52.88 16.52,51.96 18.61,51.96 v1(19.22,52.58)
I2C2_SCL: length 30.5
  L1 Top Layer w0.186: v1(24.67,44.38) 24.74,44.44 24.74,44.66 25.14,45.06 27.96,45.06 29.52,43.5 29.52,42.75 U1.11 ; J13.7 21.16,23.73 R19.2
  L6 Bottom Layer w0.186: v1(24.67,44.38) 24.67,34.69 24.77,34.59 24.77,24.99 J13.7
I2C2_SDA: length 35.1
  L1 Top Layer w0.186: R20.2 J13.2 ; v1(25.42,44.45) 25.49,44.39 25.64,44.39 25.67,44.36 28.12,44.36 29.02,43.46 29.02,42.75 U1.10
  L6 Bottom Layer w0.186: J13.2 25.4,19.37 25.4,44.43 v1(25.42,44.45)
I2C3_SCL: length 38.5
  L1 Top Layer w0.186: U1.26 37.07,43.88 36.55,44.4 30.72,44.4 v1(29.94,45.18) ; R54.2 21.11,24.98 J13.8
  L6 Bottom Layer w0.186: v1(29.94,45.18) 28.87,46.26 25.66,46.26 24.08,44.68 24.08,42.55 24.32,42.31 24.32,25.79 J13.8
I2C3_SDA: length 47.6
  L1 Top Layer w0.186: R49.2 J13.4 ; v1(29.7,46.85) 31.7,44.85 36.8,44.85 37.6,44.05 37.6,42.73 U1.27
  L6 Bottom Layer w0.186: J13.4 21.9,21.59 21.9,45.75 23,46.85 v1(29.7,46.85)
I2C4_SCL: length 23.8
  L1 Top Layer w0.186: v1(23.92,69.67) 23.92,69.59 24.12,69.39 24.12,68.33 U15.2 ; U1.81 38.07,68.05 38.69,68.67 38.74,68.67 39.05,68.98 R70.2 39.03,69.05 v1(39.03,70.43)
  L3 Signal w0.186: v1(39.03,70.43) 24.64,70.43 23.92,69.71 v1(23.92,69.67)
I2C4_SDA: length 23.6
  L1 Top Layer w0.186: U1.82 37.57,68.85 37.45,68.98 37.45,70.55 36.99,71.01 36.86,71.01 36.49,71.38 v1(36.47,71.38) ; v1(23.08,69.68) 23.4,69.35 23.4,68.4 U15.1
  L3 Signal w0.186: v1(36.47,71.38) 36.07,70.98 24.38,70.98 23.08,69.68
MISO_LPUART1_RX: length 95.2
  L1 Top Layer w0.186: v1(83.07,60.3) 86.13,60.3 R138.2 ; v1(84.45,65.18) 86.17,65.18 86.2,65.2
  L1 Top Layer w0.254: 86.2,65.2 R42.1
  L3 Signal w0.179: v1(83.57,48.51) 68.8,48.51 66.12,45.83 51.97,45.83 49.1,48.7 39.5,48.7 38.7,49.5 v1(36.82,49.5)
  L4 Signal w0.179: v1(83.57,48.51) 83.06,49.02 83.06,63.78 v1(84.45,65.18) ; v1(36.82,49.5) 36.82,49.52 36.57,49.77 36.57,63.05 31.78,67.85 v1(31.78,69.28)
  L6 Bottom Layer w0.186: v1(31.78,69.28) 31.75,69.26 R18.1
MISO_MPI_RX_N: length 20.4
  L1 Top Layer w0.154: J10.9 39.63,25.86 39.99,25.86 40.5,26.37 40.5,28.2 40.05,28.65 37.98,28.65 37.09,27.76 37.09,22.03 36.65,21.6 36.26,21.6 36.17,21.51 36.17,21.42 35.85,21.1 R130.1 35.75,21.1 35.43,21.42 35.43,21.51 35.34,21.6 34.57,21.6 34.48,21.51 34.48,21.3 34.16,20.98 R11.2 34.14,20.98 33.82,21.3 33.82,21.47 33.73,21.56 32.32,21.56 32.23,21.47 32.23,21.29 32.04,21.1 U10.11
MISO_MPI_RX_NEN: length 74.5
  L1 Top Layer w0.186: 43.9,11.43 43.95,11.43 44.22,11.7 R89.1
  L1 Top Layer w0.254: v1(42.78,12.25) 43.28,11.75 R89.1
  L4 Signal w0.179: v1(35.1,58.68) 35.05,58.63 35.05,40.73 36.7,39.08 36.7,37.18 44.52,29.36 44.52,18.53 44.51,18.52 44.51,13.98 v1(42.78,12.25)
  L6 Bottom Layer w0.186: R46.2 38.25,68.53 39.3,69.58 42.28,69.58 43.1,68.75 43.1,64.1 37.67,58.68 v1(35.1,58.68)
MISO_MPI_RX_P: length 21.7
  L1 Top Layer w0.154: U10.12 32.06,22.37 32.25,22.18 32.25,22.06 32.34,21.97 33.73,21.97 33.82,22.06 33.82,22.23 34.14,22.55 R8.1 34.2,22.55 34.52,22.23 34.52,22.07 34.61,21.98 35.34,21.98 35.43,22.07 35.43,22.18 35.75,22.5 R130.2 35.85,22.5 36.17,22.18 36.17,22.09 36.26,22 36.48,22 36.68,22.2 36.68,27.93 37.81,29.06 40.22,29.06 40.91,28.37 40.91,26.2 40.16,25.45 39.63,25.45 J10.8
MISO_UART4_RX: length 48.1
  L1 Top Layer w0.186: R29.1 47.25,38.1 v1(49.5,38.1)
  L6 Bottom Layer w0.186: v1(49.5,38.1) 50.2,38.8 50.2,56.28 49.82,56.66 49.82,66.88 49.15,67.55 49.15,71 42.24,77.91 42.24,80.09 J7.4
MISO_UART5_RX: length 104.1
  L1 Top Layer w0.186: v1(89.65,31.03) 89.65,31.45 90.45,32.25 J14.1 ; v1(17.47,60.88) 19.05,60.88 R56.2
  L3 Signal w0.179: v1(89.65,31.03) 78.83,31.03 75.35,34.5 v1(17.9,34.5)
  L6 Bottom Layer w0.186: v1(17.47,60.88) 17.47,60.86 17,60.39 17,47.57 17.05,47.52 17.05,34.7 17.25,34.5 v1(17.9,34.5)
MISO_USART1_RX: length 66
  L1 Top Layer w0.186: v1(28.22,69.83) 27.66,69.13 R109.1 ; v1(33.42,12.25) 34.2,12.25 34.58,11.88 R87.1
  L4 Signal w0.179: 31.07,14.6 26.3,19.38 26.3,37.6 28.22,39.52 ; v1(28.22,69.83) 28.18,69.83 27.1,68.75 27.1,51.03 28.22,49.9 28.22,39.52
  L4 Signal w0.186: 31.07,14.6 v1(33.42,12.25)
MISO_USART2_RX: length 84.6
  L1 Top Layer w0.186: v1(17.6,53.85) 16.88,54.58 R57.2 ; v1(76.9,78.63) 76.12,77.85 76.12,76.53 v1(76.97,75.68)
  L3 Signal w0.179: v1(76.98,64.98) 75.13,63.13 29.01,63.13 26.58,60.7 20.6,60.7 17.6,57.7 v1(17.6,53.85)
  L6 Bottom Layer w0.186: v1(76.98,64.98) 76.98,64.99 76.98,75.67 v1(76.97,75.68) ; J9.2 75.7,79.85 76.9,78.65 v1(76.9,78.63)
MISO_USART3_RX: length 61.6
  L1 Top Layer w0.186: v1(51.55,49.73) 50.62,48.8 R23.2
  L3 Signal w0.186: v1(49.12,80.28) 24.8,80.28 v1(23.45,81.63)
  L6 Bottom Layer w0.186: v1(51.55,49.73) 51.8,49.98 51.8,55.95 50.42,57.32 50.42,66.95 49.62,67.75 49.62,79.77 v1(49.12,80.28) ; J3.4 23.45,80.28 v1(23.45,81.63)
MOSI_LPUART1_TX: length 93
  L1 Top Layer w0.186: R44.1 86.22,66.78 v1(84.42,66.78)
  L3 Signal w0.179: v1(82.45,47.12) 69.2,47.12 67.42,45.35 51.88,45.35 48.97,48.25 38.4,48.25 v1(37.82,48.83)
  L4 Signal w0.179: v1(37.82,48.83) 37.88,48.88 37.88,63.08 33.42,67.53 v1(33.42,69.28) ; v1(84.42,66.78) 84.34,66.78 84.21,66.65 84.17,66.65 82.45,64.92 v1(82.45,47.12)
  L6 Bottom Layer w0.186: R21.1 v1(33.42,69.28)
MOSI_MPI_TX_EN: length 71.6
  L1 Top Layer w0.186: 48.65,11.73 R90.1
  L1 Top Layer w0.254: R90.1 49.47,11.78 v1(49.95,12.25)
  L4 Signal w0.186: v1(35.07,60) 35.75,59.33 35.75,41.31 37.4,39.66 37.4,37.55 49.9,25.05 49.9,12.3 v1(49.95,12.25)
  L6 Bottom Layer w0.186: v1(35.07,60) 35.11,60.03 35.6,60.03 35.7,60.13 37.88,60.13 42.3,64.55 42.3,68.35 41.82,68.83 40.47,68.83 40.08,68.43 40.08,67.93 R43.2
MOSI_MPI_TX_N: length 13.2
  L1 Top Layer w0.154: U10.10 32.06,19.83 32.25,19.64 32.25,19.49 32.34,19.4 32.7,19.4 34.33,17.78 36.35,17.78 37.49,18.92 37.49,22.49 38.36,23.36 38.81,23.36 39.21,23.76 J10.7
  L6 Bottom Layer w0.154: 39.21,23.74 J10.7
MOSI_MPI_TX_P: length 13.2
  L1 Top Layer w0.154: U10.9 32.06,18.56 32.25,18.75 32.25,18.9 32.34,18.99 32.53,18.99 34.16,17.37 36.52,17.37 37.9,18.75 37.9,22.33 38.53,22.95 38.81,22.95 39.21,22.55 J10.6
  L6 Bottom Layer w0.154: J10.6 39.21,22.57
MOSI_UART4_TX: length 47.6
  L1 Top Layer w0.186: v1(49.42,38.91) 49.03,39.3 47.75,39.3 47.53,39.52 47.48,39.52 47.17,39.83 R25.1
  L6 Bottom Layer w0.186: J7.3 41.09,79.98 41.09,78.26 48.6,70.75 48.6,67.33 49.3,66.63 49.3,56.3 49.47,56.13 49.47,38.96 v1(49.42,38.91)
MOSI_UART5_TX: length 106.3
  L1 Top Layer w0.186: R40.2 18.97,62.7 v1(17.33,62.7) ; v1(88.65,32.85) 89.3,33.5 J14.2
  L3 Signal w0.179: v1(16.45,35.3) 75.5,35.3 79.18,31.63 87.43,31.63 v1(88.65,32.85)
  L6 Bottom Layer w0.186: v1(17.33,62.7) 16.38,61.75 16.38,48.6 16.45,48.53 v1(16.45,35.3)
MOSI_USART1_TX: length 67.8
  L1 Top Layer w0.186: v1(33.45,13.13) 37.42,13.13 38.65,11.9 ; 29.1,69.13 v1(29.1,69.83)
  L1 Top Layer w0.254: R88.2 38.65,11.9
  L4 Signal w0.179: v1(29.1,69.83) 29.06,69.83 27.7,68.46 27.7,51.25 29.01,49.94 29.01,39.26 27.05,37.3 27.05,19.53
  L4 Signal w0.186: 27.05,19.53 v1(33.45,13.13)
MOSI_USART2_TX: length 78.8
  L1 Top Layer w0.186: v1(17.64,58.58) 17.64,58.58 16.88,57.81 R16.2
  L3 Signal w0.186: v1(17.64,58.58) 17.66,58.58 20.29,61.22 26.29,61.22 28.66,63.58 74.66,63.58 v1(76.05,64.98)
  L6 Bottom Layer w0.186: 74.45,79.85 76.07,78.23 76.07,64.99 v1(76.05,64.98)
  L6 Bottom Layer w0.254: 74.45,79.85 J9.1
MOSI_USART3_TX: length 69
  L1 Top Layer w0.186: v1(52,44.29) 51.99,44.3 50.92,44.3 50.07,45.15 R50.1
  L3 Signal w0.186: v1(22.15,81.65) 24.15,79.65 49.78,79.65 v1(50.22,79.2)
  L6 Bottom Layer w0.186: v1(50.22,79.2) 50.22,76.92 50.16,76.85 50.16,68.07 50.97,67.26 50.97,60.12 52.53,58.57 52.53,44.88 52,44.35 v1(52,44.29) ; v1(22.15,81.65) 22.15,80.23 J3.3
N_UHF_CTL: length 30.8
  L1 Top Layer w0.186: U13.4 64.25,12.06 65.95,13.75 C46.2 R66.2 67.55,13.73 v1(67.55,12.5) ; U14.4 47.25,5.93 53.72,12.4 v1(55.17,12.4)
  L3 Signal w0.186: 67.53,12.48 67.5,12.45 55.22,12.45 v1(55.17,12.4)
  L3 Signal w0.254: 67.53,12.48 v1(67.55,12.5)
  L6 Bottom Layer w0.254: 67.48,12.5 v1(67.55,12.5)
Net*1_1: length 4.5
  L1 Top Layer w0.186: *1.1 5.08,86.07 4.45,86.7 R4.2
Net*2_1: length 4.6
  L1 Top Layer w0.186: R5.2 90.82,80.73 *2.1
Net*3_1: length 5
  L1 Top Layer w0.186: R6.2 5.04,4.34 5.04,8.85 *3.1
Net*4_1: length 4.5
  L1 Top Layer w0.186: *4.1 90.82,9.32 R7.2
NetC21_1: length 6
  L1 Top Layer w0.254: NOREF#2.3 37.32,38.83 36.79,38.83 Y1.3 36.6,38.98 35.3,40.28 C21.1 35.57,41.35 U1.23
NetC42_1: length 5.7
  L1 Top Layer w0.178: J17.1 C42.1
NetC42_2: length 2.8
  L1 Top Layer w0.178: C42.2 U13.1
NetC45_1: length 2.1
  L1 Top Layer w0.178: 62.07,13.43 62.1,13.45 ; 62.1,13.45 62.1,13.73 ; 62.1,13.45 C45.1 ; 62.1,13.45 U13.5
NetC45_2: length 5.7
  L1 Top Layer w0.178: 62.32,15.03 62.35,15.05 ; J18.1 62.4,15.15 C45.2
NetC47_1: length 5.7
  L1 Top Layer w0.178: J20.1 67.32,9.25 66.8,9.77 C47.1
NetC47_2: length 2.5
  L1 Top Layer w0.178: U13.3 C47.2
NetD1_A: length 1.8
  L1 Top Layer w0.186: D1.A 19.89,40.5 R1.1
NetD2_A: length 1.6
  L1 Top Layer w0.186: D2.A 19.89,37 R2.1
NetD3_A: length 1.6
  L1 Top Layer w0.186: 1.38,58.28 1.55,58.45 R134.1
NetD4_A: length 1.7
  L1 Top Layer w0.254: R135.1 1.33,23.05 D4.A
NetD5_A: length 1.5
  L1 Top Layer w0.254: 1.3,67.43 R136.1
NetD6_A: length 1.6
  L1 Top Layer w0.186: R3.2 19.89,33.75
  L1 Top Layer w0.254: D6.A 19.89,33.75
NetJ3_1: length 2.4
  L1 Top Layer w0.186: R61.2 19.22,78.65 19.58,79 v1(19.58,79.05)
  L6 Bottom Layer w0.186: J3.1 19.58,80.15 v1(19.58,79.05)
NetJ3_2: length 2.3
  L1 Top Layer w0.186: R63.2 20.88,77.95 v1(20.88,79.05)
  L6 Bottom Layer w0.186: v1(20.88,79.05) J3.2
NetJ3_5: length 2.5
  L1 Top Layer w0.186: v1(24.67,79.05) 24.12,78.5 24.12,77.97 R68.2
  L6 Bottom Layer w0.186: v1(24.67,79.05) 24.67,80.15 J3.5
NetJ3_6: length 2.3
  L1 Top Layer w0.186: R69.2 25.88,78.03 v1(25.88,79.05)
  L6 Bottom Layer w0.186: v1(25.88,79.05) J3.6
NetJ3_8: length 2.4
  L1 Top Layer w0.186: v1(28.38,79.05) 28.38,78.97 28.67,78.67 R74.2
  L6 Bottom Layer w0.186: v1(28.38,79.05) J3.8
NetJ5_1: length 20.9
  L1 Top Layer w0.186: J5.13 J5.11 J5.9 J5.7 J5.5 J5.3 J5.1 6.42,12.78 4.02,12.78 2.92,13.88 R132.2
NetJ5_2: length 18.1
  L1 Top Layer w0.186: J5.14 J5.12 J5.10 J5.8 J5.6 J5.4 J5.2 4.85,14.2 4.34,14.2 3.27,15.27 3.26,15.27 2.95,15.58 R133.1
NetJ5_15: length 7.3
  L1 Top Layer w0.186: R121.2 2.88,27.35 3.88,28.35 3.88,29.45 4.25,29.83 arc(4.3,29.89) 4.36,29.95 5.01,30.58 6.45,30.58 J5.15
NetJ5_16: length 3.7
  L1 Top Layer w0.186: J5.16 4.85,31.52 4.85,30.98 3.23,29.36 3.18,29.36 2.88,29.05 R122.1
NetJ5_17: length 6.6
  L1 Top Layer w0.186: R116.2 2.9,30.75 3.21,31.06 3.21,31.12 3.25,31.17 3.25,31.18 3.83,31.75 3.83,32.23 4.72,33.12 6.45,33.12 J5.17
NetJ5_18: length 3
  L1 Top Layer w0.186: R118.1 2.9,32.45 4.51,34.06 4.85,34.06 J5.18
NetJ5_19: length 5.9
  L1 Top Layer w0.186: J5.19 6.31,35.53 4.3,35.53 3.23,34.46 3.18,34.46 2.88,34.15 R114.2
NetJ5_20: length 2.7
  L1 Top Layer w0.186: R115.1 2.88,35.83 3.18,36.13 3.23,36.13 3.93,36.83 J5.20
NetJ5_21: length 7.9
  L1 Top Layer w0.186: J5.21 8.86,38.13 R110.2
NetJ5_22: length 2.9
  L1 Top Layer w0.186: J5.22 4.19,39.37 3.18,38.36 3.13,38.36 2.83,38.05 R111.1
NetJ5_23: length 8.3
  L1 Top Layer w0.186: R106.2 15,39.88 14.69,40.18 14.64,40.18 14.2,40.63 8.91,40.63 J5.23
NetJ5_24: length 10.5
  L1 Top Layer w0.186: R108.1 14.77,43 6.17,43 J5.24
NetJ5_31: length 7.9
  L1 Top Layer w0.186: J5.31 8.65,51.04 14.86,51.04 R139.2
NetJ5_33: length 10.6
  L1 Top Layer w0.186: J5.33 J5.35 J5.37 6.38,60.93 3.5,60.93 3.28,61.14 3.23,61.14 2.92,61.45 R102.2
NetJ5_34: length 7.4
  L1 Top Layer w0.186: J5.38 J5.36 J5.34 2.86,54.61 R103.1
NetJ5_47: length 5.9
  L1 Top Layer w0.186: J5.47 6.36,73.65 4.1,73.65 3.18,74.57 3.13,74.57 2.83,74.88 R96.2
